# Allegro board 1155000-zp-dic_pda_8ch_board_v002.brd (continued)
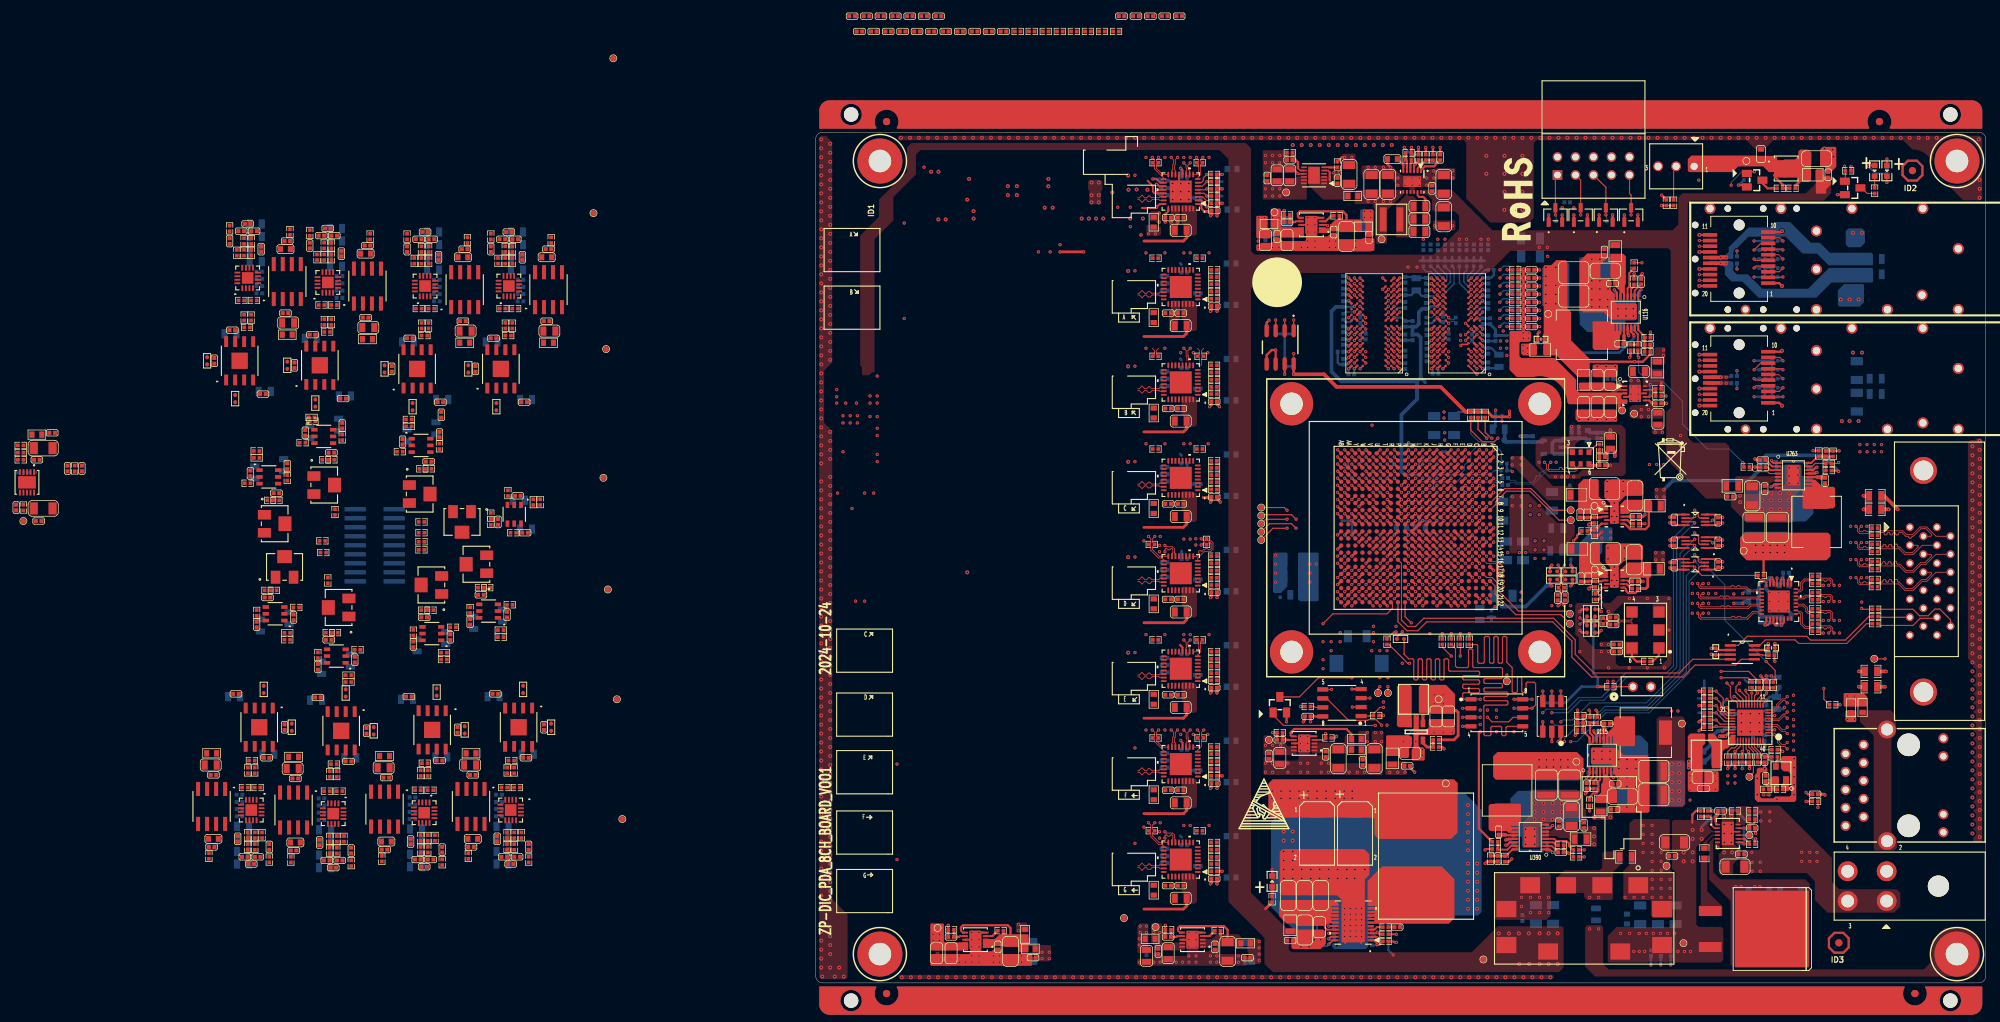
[diagram p0: board, top side]
## Routing (per net, layer and track width the routed paths; a pad name or vN(x,y) marks a point on that pad's centre or on a via; arc(x,y) is an arc through that point) (continued)
ADC7_CNV_P: length 81.6
  TOP w0.102: U384.9 53.95,114.03 54.02,114.1 54.02,115.42 R3138.2 54.02,115.97 54.02,116.13 v1(53.7,116.45) ; v1(73.6,60.19) U1.AB15
  ART08 w0.102: v1(73.6,60.19) 74,60.19 74.1,60.29 74.1,60.44 73.95,60.59 73.25,60.59 73.15,60.49 72.61,60.49 72.29,60.81 68.08,60.81 67.33,61.56 67.18,61.56 66.22,60.6 65.74,60.6 65.21,61.12 65.21,61.6 66.18,62.56 66.18,62.71 65.89,63 65.75,63 64.78,62.03 64.3,62.03 63.78,62.56 63.78,63.04 64.74,64 64.74,64.15 62.96,65.92 62.96,96.16 63.57,96.76 63.57,105.34 61.41,107.5 61.41,111.67 57.77,115.32 54.39,115.32 54.05,115.66 54.05,116.31 53.91,116.45 v1(53.7,116.45)
ADC7_DATA_N: length 82.7
  TOP w0.102: U1.AB17 v1(73.6,59.19) ; v1(52.82,115.68) 52.82,115.68 52.49,115.35 52.49,115.07 52.61,114.95 52.61,114.71 52.73,114.59 U384.10
  ART08 w0.102: v1(73.6,59.19) 73.89,59.19 73.99,59.09 73.99,58.92 73.83,58.75 73.22,58.75 72.08,59.89 70.43,59.89 70.23,60.1 70.03,60.1 69.82,59.89 69.62,59.89 69.42,60.1 69.21,60.1 69.01,59.89 64.66,59.89 62.35,62.2 62.35,103.07 60.75,104.67 60.75,110.53 60.41,110.87 58.47,110.87 58.37,110.97 58.37,112.88 57.98,113.26 56.55,113.26 56.21,112.92 56.21,111.14 55.43,110.36 55.01,110.36 54.66,110.72 54.66,113.45 53.83,114.28 53.83,114.42 53.83,114.56 53.69,114.71 53.55,114.71 53.55,114.71 53.4,114.71 53.1,115.01 52.68,115.01 52.57,115.12 52.57,115.44 v1(52.82,115.68)
ADC7_DATA_P: length 83.3
  TOP w0.102: U1.AA16 v1(74.6,59.19) ; U384.11 52.23,114.59 52.35,114.71 52.35,114.85 52.23,114.97 52.23,115.37 v1(51.91,115.68)
  ART08 w0.102: v1(74.6,59.19) 74.4,58.98 74.4,58.75 73.99,58.34 73.06,58.34 71.91,59.49 64.5,59.49 61.95,62.04 61.95,102.9 60.35,104.5 60.35,110.36 60.24,110.46 58.3,110.46 57.96,110.8 57.96,112.71 57.82,112.85 56.71,112.85 56.61,112.75 56.61,110.97 55.6,109.96 54.84,109.96 54.25,110.55 54.25,113.28 52.93,114.6 52.51,114.6 52.16,114.95 52.16,115.43 v1(51.91,115.68)
ADC7_DCO_N: length 84.4
  TOP w0.102: U384.14 50.73,114.59 50.61,114.71 50.61,115.33 50.71,115.43 50.71,116.13 v1(51.03,116.45) ; U1.Y17 v1(75.6,58.19)
  ART08 w0.102: v1(75.6,58.19) 75.98,58.19 76.08,58.09 76.08,57.9 75.98,57.79 73.07,57.79 72.97,57.9 71.18,57.9 70.46,58.62 68.92,58.62 68.71,58.83 68.51,58.83 68.31,58.62 68.1,58.62 67.9,58.83 67.7,58.83 67.49,58.62 67.29,58.62 67.09,58.83 66.88,58.83 66.68,58.62 64.44,58.62 61.34,61.72 61.34,102.64 59.66,104.32 59.66,107.11 59.12,107.65 59.12,107.8 59.56,108.23 59.56,108.71 59.03,109.24 58.55,109.24 58.11,108.8 57.97,108.8 57.73,109.04 54.83,109.04 53.64,110.23 53.64,113.03 52.75,113.92 51.74,113.92 50.78,114.87 50.78,115.32 50.89,115.43 50.95,115.43 51.05,115.53 51.05,115.73 50.95,115.83 50.89,115.83 50.78,115.93 50.78,116.21 v1(51.03,116.45)
ADC7_DCO_P: length 84.4
  TOP w0.102: U384.15 50.23,114.59 50.35,114.71 50.35,115.43 50.45,115.54 50.45,116.13 v1(50.14,116.45) ; U1.W17 v1(76.6,58.19)
  ART08 w0.102: v1(76.6,58.19) 76.38,58.19 76.28,58.09 76.28,57.81 76.06,57.59 73.07,57.59 72.97,57.49 71.02,57.49 70.29,58.22 64.27,58.22 60.93,61.55 60.93,102.47 59.25,104.15 59.25,106.94 58.71,107.48 58.71,107.96 59.15,108.4 59.15,108.55 58.86,108.83 58.72,108.83 58.28,108.4 57.8,108.4 57.56,108.64 54.66,108.64 53.23,110.06 53.23,112.86 52.58,113.51 51.57,113.51 50.38,114.7 50.38,116.21 v1(50.14,116.45)
ADC7_EN0: length 2.7
  TOP w0.152: U384.4 54.78,111.38 v1(55.16,111) R3147.2
  BOTTOM w0.152: R3147.2 v1(55.16,111)
ADC7_EN1: length 2.6
  TOP w0.152: U384.5 55.03,111.88 v1(55.16,112.01) R3145.2
  BOTTOM w0.152: R3145.2 v1(55.16,112.01)
ADC7_EN2: length 2.8
  TOP w0.152: R3143.2 v1(55.16,113.03) 54.52,112.38 U384.6
  BOTTOM w0.152: R3143.2 v1(55.16,113.03)
ADC7_EN3: length 3.2
  TOP w0.152: U384.7 54.38,112.88 54.66,113.16 54.66,113.54 v1(55.16,114.05) R3141.2
  BOTTOM w0.152: R3141.2 v1(55.16,114.05)
ADC7_IN+: length 4.3
  TOP w0.102: U384.23 48.53,110.38 48.4,110.51 47.46,110.51 47.17,110.22 46.9,110.22 46.63,110.49 46.4,110.49 46.02,110.11 45.64,110.49 45.41,110.49
ADC7_IN-: length 4.3
  TOP w0.102: U384.22 48.53,110.88 48.4,110.76 47.38,110.76 47.12,111.02 46.95,111.02 46.68,110.74 46.4,110.74 46.02,111.13 45.64,110.74 45.41,110.74
ADC7_VIO: length 6.8
  TOP w0.254: v1(51.46,114.92) 51.74,114.64 51.74,114.04 U384.12
  BOTTOM w0.381: C3362.2 51.59,114.79 v1(51.46,114.92) ; 57.32,111 R3148.1 R3146.1 R3144.1 ; R3144.1 57.32,113.03 ; R3144.1 R3142.1
ADC7_VREF: length 7.3
  TOP w0.381: C3363.1 52.33,105.12 51.86,104.65 46.29,104.65
ADC8_CLK_N: length 104.7
  TOP w0.102: U387.16 48.45,19.8 47.52,20.73 47.52,21.19 R3160.1 47.52,21.74 47.52,22.29 v1(47.83,22.59) ; U1.B13 v1(93.61,62.19)
  ART03 w0.102: v1(93.61,62.19) 93.23,62.19 93.13,62.29 93.13,62.48 93.34,62.69 94.23,62.69 95.13,63.59 95.96,63.59 96.06,63.49 101.01,63.49 101.87,62.62 101.87,50.56 99.21,47.9 99.21,42.59 97.56,40.94 97.56,34.84 89.9,27.18 79.17,27.18 76.12,24.13 65.38,24.13 60.63,19.38 54.27,19.38 54.11,19.53 50.91,19.53 50.71,19.74 50.5,19.74 50.3,19.53 50.1,19.53 49.89,19.74 49.69,19.74 49.49,19.53 48.71,19.53 47.58,20.66 47.58,22.35 v1(47.83,22.59)
ADC8_CLK_P: length 106.6
  TOP w0.102: U1.C13 v1(92.61,62.19) ; v1(46.94,22.59) 47.27,22.26 47.27,21.74 R3160.2 47.27,21.19 47.27,20.62 48.34,19.55 48.83,19.55 49.08,19.29 U387.17
  ART03 w0.102: v1(46.94,22.59) 47.18,22.35 47.18,20.49 48.54,19.13 53.95,19.13 54.1,18.97 60.79,18.97 65.54,23.72 76.29,23.72 79.34,26.77 90.06,26.77 97.96,34.67 97.96,40.77 99.61,42.42 99.61,47.73 102.28,50.39 102.28,62.79 101.18,63.89 96.14,63.89 96.04,63.79 95.05,63.79 94.15,62.89 93.26,62.89 92.93,62.56 92.93,62.29 92.83,62.19 v1(92.61,62.19)
ADC8_CNV_N: length 100.3
  TOP w0.102: U1.D14 v1(91.61,61.19)
  ART03 w0.102: 54.59,22.21 54.35,21.97 54.35,21.82 54.45,21.72 55.86,21.72 55.96,21.82 55.96,21.92 56.06,22.02 56.26,22.02 56.37,21.92 56.37,21.82 56.47,21.72 56.67,21.72 56.77,21.82 56.77,21.92 56.87,22.02 57.08,22.02 57.18,21.92 57.18,21.82 57.28,21.72 57.49,21.72 58.04,22.27 58.04,22.55 56.51,24.08 56.51,24.56 57.04,25.09 57.52,25.09 58.89,23.72 59.03,23.72 59.32,24 59.32,24.15 57.95,25.52 57.95,26 58.47,26.52 58.95,26.52 60.32,25.15 60.47,25.15 60.75,25.44 60.75,25.59 59.38,26.96 59.38,27.44 59.91,27.96 60.39,27.96 61.81,26.54 61.95,26.54 63.48,28.07 74.37,28.07 74.47,28.17 74.47,28.87 74.81,29.21 75.55,29.21 75.89,28.87 75.89,28.17 75.99,28.07 76.31,28.07 77.48,29.24 88.68,29.24 95.16,35.72 95.16,39.76 95.06,39.86 94.6,39.86 94.26,40.2 94.26,40.94 94.6,41.28 95.06,41.28 95.16,41.38 95.16,42.35 96.67,43.86 96.67,48.49 96.89,48.71 96.89,48.99 97.04,49.14 97.32,49.14 97.47,49.29 97.47,49.57 97.62,49.72 97.9,49.72 98.04,49.86 98.04,50.14 98.19,50.29 98.47,50.29 98.6,50.42 98.6,60.08 98.19,60.49 98.19,60.88 97.59,61.49 95.94,61.49 95.84,61.59 91.18,61.59 91.08,61.49 91.08,61.29 91.18,61.19 v1(91.61,61.19)
ADC8_CNV_P: length 101.1
  TOP w0.102: U1.E14 v1(90.61,61.19)
  ART03 w0.102: v1(90.61,61.19) 90.78,61.19 90.88,61.29 90.88,61.58 91.09,61.79 95.84,61.79 95.94,61.9 97.76,61.9 98.6,61.05 98.6,60.66 99.01,60.25 99.01,50.25 97.07,48.32 97.07,43.69 95.57,42.18 95.57,41.21 95.23,40.88 94.76,40.88 94.66,40.77 94.66,40.37 94.76,40.27 95.23,40.27 95.57,39.93 95.57,35.55 88.85,28.83 77.64,28.83 76.48,27.66 75.82,27.66 75.48,28 75.48,28.7 75.38,28.8 74.98,28.8 74.87,28.7 74.87,28 74.54,27.66 63.65,27.66 62.12,26.14 61.64,26.14 60.22,27.56 60.08,27.56 59.79,27.27 59.79,27.12 61.16,25.75 61.16,25.27 60.63,24.75 60.15,24.75 58.79,26.12 58.64,26.12 58.35,25.83 58.35,25.69 59.72,24.32 59.72,23.84 59.2,23.31 58.72,23.31 57.35,24.68 57.2,24.68 56.92,24.39 56.92,24.25 58.44,22.72 58.44,22.1 57.65,21.31 54.29,21.31 53.95,21.65 53.95,21.97 53.7,22.21
ADC8_DATA_N: length 99.1
  TOP w0.102: U1.A14 v1(95.6,62.19)
  ART03 w0.102: 52.82,21.45 52.52,21.45 52.42,21.35 52.42,20.93 52.67,20.68 53.26,20.68 53.37,20.78 53.37,20.85 53.47,20.96 53.67,20.96 53.77,20.85 53.77,20.78 53.87,20.68 58.02,20.68 58.45,21.1 58.93,21.1 59.62,20.41 59.76,20.41 60.05,20.7 60.05,20.84 59.36,21.53 59.36,22.01 59.88,22.54 60.36,22.54 61.08,21.82 61.22,21.82 61.51,22.11 61.51,22.25 60.8,22.97 60.8,23.45 61.32,23.98 61.8,23.98 62.58,23.2 62.73,23.2 63.01,23.49 63.01,23.63 62.23,24.41 62.23,24.89 62.62,25.27 75.8,25.27 78.75,28.22 89.48,28.22 96.54,35.28 96.54,41.68 97.96,43.1 97.96,48.17 100.78,50.99 100.78,51.34 100.68,51.44 99.95,51.44 99.61,51.78 99.61,52.52 99.95,52.86 100.71,52.86 100.81,52.97 100.81,53.37 100.71,53.47 100.26,53.47 99.92,53.81 99.92,54.56 100.26,54.9 100.73,54.9 100.83,55 100.83,55.4 100.73,55.51 99.95,55.51 99.61,55.85 99.61,56.59 99.95,56.93 100.48,56.93 100.58,57.03 100.58,57.8 100.48,57.91 100.4,57.91 100.3,58.01 100.3,58.21 100.4,58.31 100.48,58.31 100.58,58.41 100.58,58.62 100.48,58.72 100.4,58.72 100.3,58.82 100.3,59.02 100.4,59.13 100.48,59.13 100.58,59.23 100.58,59.43 100.48,59.53 100.4,59.53 100.3,59.63 100.3,59.84 100.4,59.94 100.48,59.94 100.58,60.04 100.58,60.97 100.25,61.3 100.1,61.3 100.06,61.26 99.92,61.26 99.78,61.41 99.78,61.55 99.82,61.59 99.82,61.73 99.67,61.88 99.53,61.88 99.49,61.84 99.35,61.84 99.2,61.98 99.2,62.13 99.24,62.17 99.24,62.31 99.06,62.49 95.71,62.49 95.6,62.39 v1(95.6,62.19)
ADC8_DATA_P: length 98.8
  TOP w0.102: U1.A13 v1(95.6,63.19)
  ART03 w0.102: v1(95.6,63.19) 95.9,62.89 99.23,62.89 100.99,61.14 100.99,56.86 100.65,56.52 100.12,56.52 100.02,56.42 100.02,56.01 100.12,55.91 100.9,55.91 101.24,55.57 101.24,54.83 100.9,54.49 100.43,54.49 100.33,54.39 100.33,53.98 100.43,53.88 100.88,53.88 101.22,53.54 101.22,52.8 100.88,52.46 100.12,52.46 100.02,52.36 100.02,51.95 100.12,51.85 100.85,51.85 101.19,51.51 101.19,50.83 98.37,48.01 98.37,42.93 96.95,41.51 96.95,35.11 89.65,27.81 78.91,27.81 75.97,24.87 62.78,24.87 62.64,24.72 62.64,24.58 63.42,23.8 63.42,23.32 62.89,22.79 62.41,22.79 61.63,23.57 61.49,23.57 61.2,23.28 61.2,23.14 61.92,22.42 61.92,21.94 61.39,21.42 60.91,21.42 60.2,22.13 60.05,22.13 59.76,21.85 59.76,21.7 60.46,21.01 60.46,20.53 59.93,20 59.45,20 58.76,20.7 58.61,20.7 58.19,20.27 52.5,20.27 52.02,20.76 52.02,21.35 51.91,21.45
ADC8_DCO_N: length 103.7
  TOP w0.102: v1(49.25,21.32) 49.44,21.13 50.34,21.13 50.62,20.86 50.62,20.27 50.73,20.16 U387.14 ; U1.C18 v1(93.6,57.19)
  ART03 w0.102: v1(49.25,21.32) 49.49,21.08 50.29,21.08 50.95,21.74 50.95,22.12 50.75,22.32 50.75,22.53 50.95,22.73 50.95,22.93 50.75,23.14 50.75,23.34 50.95,23.54 50.95,23.75 50.75,23.95 50.75,24.15 50.95,24.35 50.95,25.07 51.61,25.73 52.98,25.73 53.77,24.94 53.77,23.8 53.87,23.7 54.81,23.7 54.91,23.8 54.91,25.35 53.34,26.92 53.34,27.4 53.87,27.93 54.35,27.93 56.23,26.04 56.38,26.04 57.54,27.21 57.54,27.35 55.7,29.19 55.7,29.94 56.47,30.71 57.42,30.71 59.03,29.11 73.11,29.11 74.55,30.56 88.49,30.56 92.76,34.82 92.76,41.38 95.65,44.28 95.65,49.19 97.58,51.12 97.58,58.6 97.48,58.7 97.3,58.7 97.2,58.8 97.2,59.01 97.3,59.11 97.48,59.11 97.58,59.21 97.58,59.47 97.25,59.81 96.62,59.81 95.77,60.66 94.47,60.66 94.21,60.39 94.21,57.91 93.96,57.67 93.71,57.67 93.6,57.57 v1(93.6,57.19)
ADC8_DCO_P: length 103.8
  TOP w0.102: v1(49.25,20.43) 49.25,20.76 49.36,20.88 49.49,20.88 49.67,20.7 49.93,20.7 50.1,20.88 50.24,20.88 50.36,20.75 50.36,20.27 50.23,20.14 U387.15 ; U1.C17 v1(93.6,58.19)
  ART03 w0.102: v1(49.25,20.43) 49.49,20.68 50.46,20.68 51.35,21.57 51.35,24.9 51.78,25.32 52.81,25.32 53.36,24.77 53.36,23.63 53.7,23.29 54.98,23.29 55.32,23.63 55.32,25.52 53.75,27.09 53.75,27.23 54.04,27.52 54.18,27.52 56.06,25.64 56.54,25.64 57.95,27.04 57.95,27.52 56.1,29.36 56.1,29.77 56.64,30.3 57.26,30.3 58.86,28.7 73.27,28.7 74.72,30.15 88.66,30.15 93.16,34.65 93.16,41.21 96.06,44.11 96.06,49.02 97.99,50.95 97.99,59.64 97.41,60.21 96.5,60.21 95.86,60.86 94.38,60.86 94,60.48 94,58 93.88,57.87 93.71,57.87 93.6,57.97 v1(93.6,58.19)
ADC8_IN+: length 4.3
  TOP w0.102: U387.23 48.53,16.15 48.4,16.27 47.46,16.27 47.17,15.98 46.9,15.98 46.63,16.26 46.4,16.26 46.02,15.88 45.64,16.26 45.41,16.26
ADC8_IN-: length 4.3
  TOP w0.102: U387.22 48.53,16.65 48.4,16.53 47.38,16.53 47.12,16.78 46.95,16.78 46.68,16.51 46.4,16.51 46.02,16.89 45.64,16.51 45.41,16.51
ADC8_VIO: length 0.3
  BOTTOM w0.381: 51.59,20.55 51.4,20.75
ADC8_VREF: length 7.3
  TOP w0.381: C3377.1 52.33,10.88 51.86,10.41 46.29,10.41
ADC_PWREN: length 164.3
  TOP w0.152: R3198.1 v1(108.38,17.78) ; v1(71.55,50.67) 72.94,52.07 80.57,52.07 81.33,52.83 81.33,53.47 U1.R22
  TOP w0.305: R3200.1 v1(87.04,117.86)
  ART06 w0.114: v1(87.04,117.86) 86.66,117.48 86.66,104.14 85.52,103 73.71,103 68.63,97.92 68.63,89.28 64.65,85.3 64.65,62.87 65.58,61.94 65.58,56.64 v1(71.55,50.67)
  ART08 w0.102: v1(108.38,17.78) 98.98,17.78 98.73,18.03 94.28,18.03 93.14,19.18 93.14,26.42 91.74,27.81 78.53,27.81 76.88,29.46 76.88,30.23 75.8,31.31 75.8,36.64 70.66,41.78 70.66,49.78 v1(71.55,50.67)
CLK_SEL: length 115.5
  TOP w0.152: J77.1 R2120.2 v1(112.46,42.55) ; R2126.2 147.62,52.71 v1(147.49,52.83) ; U1.F14 v1(89.61,62.19)
  ART03 w0.102: v1(126.92,54.94) 126.92,50.8 119.17,43.05 114.6,43.05 114.09,42.55 v1(112.46,42.55)
  ART08 w0.102: v1(112.46,42.55) 112.72,42.8 124.25,42.8 125.4,41.66 127.05,41.66 128.06,40.64 128.57,40.64 129.33,39.88 132.38,39.88 132.89,40.39 134.41,40.39 137.97,43.94 141.14,43.94 147.49,50.29 v1(147.49,52.83) ; v1(89.61,62.19) 90.08,61.72 93.82,61.72 94.74,60.81 95.83,60.81 96.41,60.22 100.53,60.22 100.86,60.55 103.65,60.55 106.22,63.12 107.11,63.12 107.87,62.36 107.87,60.1 108.78,59.18 112.82,59.18 114.85,57.15 116.89,57.15 117.39,56.64 120.7,56.64 122.88,54.46 126.44,54.46 v1(126.92,54.94)
DDR3_A_A0: length 71.1
  TOP w0.203: U75.N3 v1(80.76,97.04) ; U1.AB5 v1(73.6,71.19) ; U76.N3 v1(92.45,97.04)
  ART06 w0.178: v1(73.6,71.19) 73.17,71.62 73.17,72.37 73.56,72.76 73.78,72.76 74.17,73.15 74.17,73.37 74.43,73.62 74.69,73.62 75.17,74.11 75.17,74.37 75.43,74.62 75.69,74.62 76.12,75.06 76.12,75.32 75.93,75.51 75.93,75.76 76.25,76.09 76.25,76.35 76,76.6 75.75,76.6 75.42,76.27 75.17,76.27 74.9,76.54 74.9,78.34 74.49,78.74 74.49,79.28 74.32,79.46 73.41,79.46 73.24,79.64 73.24,79.99 73.41,80.17 74.32,80.17 74.49,80.35 74.49,82.29 74.67,82.47 76.01,82.47 76.19,82.65 76.19,83 76.01,83.18 74.67,83.18 74.49,83.36 74.49,83.71 74.67,83.89 76.4,83.89 76.58,84.07 76.58,84.42 76.4,84.6 74.67,84.6 74.49,84.78 74.49,85.14 74.67,85.31 76.4,85.31 76.58,85.49 76.58,85.85 76.4,86.02 74.67,86.02 74.49,86.2 74.49,86.49 74.32,86.67 73.55,86.67 73.38,86.85 73.38,87.2 73.55,87.38 74.32,87.38 74.49,87.56 74.49,88.45 74.26,88.68 74.26,89.16 74.49,89.39 74.49,89.64 74.72,89.87 74.72,90.25 74.55,90.43 74.46,90.43 74.28,90.61 74.28,90.96 74.46,91.14 74.55,91.14 74.72,91.32 74.72,91.59 74.55,91.77 73.49,91.77 73.32,91.95 73.32,92.3 73.49,92.48 74.55,92.48 74.9,92.84 75.14,92.84 75.32,93.01 75.32,93.23 75.5,93.41 75.85,93.41 76.03,93.23 76.03,93.01 76.21,92.84 76.55,92.84 76.73,93.01 76.73,93.85 77.64,94.77 77.64,95.67 79.01,97.04 v1(80.76,97.04)
  ART08 w0.102: v1(92.45,97.04) 92.05,97.44 84.57,97.44 84.47,97.34 84.47,97.33 84.37,97.23 84.17,97.23 84.07,97.33 84.07,97.34 83.97,97.44 81.16,97.44 v1(80.76,97.04)
  BOTTOM w0.203: v1(92.45,97.04) 90.77,98.71 R460.2
DDR3_A_A1: length 70.8
  TOP w0.203: U75.P7 v1(76.76,97.84) ; U76.P7 v1(88.45,97.84) ; U1.AA8 v1(74.6,68.19)
  ART03 w0.102: v1(88.45,97.84) 88.28,97.84 87.88,98.24 86.39,98.24 85.59,99.04 83.77,99.04 83.67,98.94 83.67,98.77 83.56,98.67 83.36,98.67 83.26,98.77 83.26,98.94 83.16,99.04 78.85,99.04 77.65,97.84 v1(76.76,97.84)
  ART06 w0.102: 74.94,96.64 77.1,96.64 77.31,96.85 77.31,97.64 77.11,97.84 v1(76.76,97.84)
  ART06 w0.178: v1(74.6,68.19) 74.12,68.67 71.05,68.67 70.64,69.08 70.64,74.06 70.92,74.33 71.7,74.33 71.88,74.51 71.88,74.86 71.7,75.04 70.92,75.04 70.74,75.22 70.74,75.6 70.92,75.78 73.28,75.78 73.45,75.96 73.45,76.31 73.28,76.49 70.92,76.49 70.74,76.67 70.74,77.02 70.92,77.2 73.28,77.2 73.45,77.38 73.45,77.73 73.28,77.91 70.92,77.91 70.74,78.09 70.74,78.47 71.46,79.19 71.46,95.99 72.11,96.64 72.37,96.64 72.55,96.82 72.55,97.05 72.73,97.22 73.09,97.22 73.26,97.05 73.26,96.82 73.44,96.64 74.94,96.64
  BOTTOM w0.203: R461.2 89.5,100.31 89.5,98.89 v1(88.45,97.84)
DDR3_A_A2: length 70.6
  TOP w0.203: U75.P3 v1(80.76,97.84) ; U76.P3 v1(92.45,97.84) ; U1.W11 v1(76.6,65.19)
  ART08 w0.102: 74.77,98.24 77.96,98.24 78.77,97.43 80.35,97.43 v1(80.76,97.84) 81.16,98.24 92.05,98.24 v1(92.45,97.84)
  ART08 w0.165: 74.77,98.24 73.65,98.24 66.57,91.16 66.57,90.37 64.68,88.48 64.68,71.74 71.73,64.69 76.11,64.69 v1(76.6,65.19)
  BOTTOM w0.203: R462.2 91.79,100.51 91.41,100.13 91.41,98.88 v1(92.45,97.84)
DDR3_A_A3: length 73.1
  TOP w0.203: R463.2 v1(97.5,98.3) ; U75.N2 v1(81.56,97.04) ; U1.AA6 v1(74.6,70.19) ; U76.N2 v1(93.25,97.04)
  ART06 w0.102: v1(97.5,98.3) 96.99,97.79 95.98,97.79 95.63,97.44 93.65,97.44 v1(93.25,97.04) U76.N2 81.96,96.64 v1(81.56,97.04) U75.N2 80.51,96.64
  ART06 w0.178: v1(74.6,70.19) 74.09,70.71 74.09,72.29 74.43,72.62 74.65,72.62 75.04,73.01 75.04,73.47 75.33,73.76 75.78,73.76 76.12,74.1 76.12,74.53 76.22,74.62 76.65,74.62 77.06,75.04 77.06,76.82 76.88,77 75.61,77 75.43,77.18 75.43,77.53 75.61,77.71 76.88,77.71 77.06,77.89 77.06,78.07 76.88,78.25 75.59,78.25 75.41,78.43 75.41,78.79 75.59,78.96 76.88,78.96 77.06,79.14 77.06,79.31 76.88,79.49 75.33,79.49 75.15,79.67 75.15,80.02 75.33,80.2 76.88,80.2 77.06,80.38 77.06,80.73 76.88,80.91 75.33,80.91 75.15,81.09 75.15,81.45 75.33,81.62 76.88,81.62 77.06,81.8 77.06,86.32 78,87.26 78,88.16 78.18,88.34 78.77,88.34 78.95,88.51 78.95,88.87 78.77,89.05 78.18,89.05 78,89.22 78,89.58 78.18,89.76 79.02,89.76 79.19,89.94 79.19,90.29 79.02,90.47 78.18,90.47 78,90.65 78,91 78.18,91.18 79.02,91.18 79.19,91.36 79.19,91.71 79.02,91.89 78.18,91.89 78,92.07 78,92.42 78.18,92.6 79.02,92.6 79.19,92.78 79.19,93.14 79.02,93.31 78.18,93.31 78,93.49 78,93.85 78.18,94.02 79.02,94.02 79.19,94.2 79.19,94.56 79.02,94.74 78.18,94.74 78,94.91 78,95.27 79.37,96.64 80.51,96.64
DDR3_A_A4: length 87.1
  TOP w0.203: U1.V10 v1(77.6,66.19) ; U76.P8 v1(87.65,97.84) ; U75.P8 v1(75.96,97.84)
  ART03 w0.102: v1(96.49,99.45) 95.28,98.24 90.08,98.24 89.28,97.44 88.28,97.44 87.88,97.84 v1(87.65,97.84) 87.42,97.84 87.02,97.44 86.17,97.44 85.37,98.24 83.71,98.24 83.61,98.14 83.61,97.98 83.5,97.88 83.3,97.88 83.2,97.98 83.2,98.14 83.1,98.24 79,98.24 78.2,97.44 U75.P8 v1(75.96,97.84) 75.56,97.44 74.84,97.44
  ART03 w0.165: v1(77.6,66.19) 77.6,65.96 77.14,65.49 77.14,65.06 76.79,64.72 74.19,64.72 73.63,65.28 71.89,65.28 69.26,67.91 69.26,74.46 69.1,74.62 68.04,74.62 67.87,74.79 67.87,75.12 68.04,75.28 69.1,75.28 69.26,75.45 69.26,75.78 69.1,75.94 68.04,75.94 67.87,76.11 67.87,76.44 68.04,76.6 69.1,76.6 69.26,76.77 69.26,77.1 69.1,77.26 68.04,77.26 67.87,77.43 67.87,77.76 68.04,77.92 69.1,77.92 69.26,78.09 69.26,78.42 69.1,78.58 68.04,78.58 67.87,78.75 67.87,79.08 68.04,79.24 69.1,79.24 69.26,79.41 69.26,80.43 69.65,80.81 69.65,84.32 68.09,85.88 68.09,86.43 68.25,86.6 68.49,86.6 68.65,86.76 68.65,87.09 68.49,87.26 68.25,87.26 68.09,87.42 68.09,87.75 68.25,87.92 68.49,87.92 68.65,88.08 68.65,88.41 68.49,88.58 68.25,88.58 68.09,88.74 68.09,93.38 68.32,93.62 68.56,93.62 68.86,93.31 69.1,93.31 69.33,93.55 69.33,93.78 69.02,94.08 69.02,94.32 69.99,95.28 69.99,96.51 70.92,97.44 71.71,97.44 71.99,97.16 72.37,97.16 72.66,97.44 73.03,97.44 73.32,97.16 73.69,97.16 73.98,97.44 74.84,97.44
  BOTTOM w0.203: v1(96.49,99.45) 96.99,99.95 97.74,99.95 R464.2
DDR3_A_A5: length 72.5
  TOP w0.203: U1.AB6 v1(73.6,70.19) ; U75.P2 v1(81.56,97.84) ; U76.P2 v1(93.25,97.84) ; R465.2 v1(97.5,99.44)
  ART06 w0.102: 75.74,95.04 76.93,95.04 77.26,95.37 77.26,95.76 78.94,97.44 U75.P2 v1(81.56,97.84) 81.96,97.44 84.18,97.44 84.38,97.63 84.59,97.63 84.78,97.44 U76.P2 v1(93.25,97.84) 93.65,98.24 94.9,98.24 95.6,98.93 96.99,98.93 v1(97.5,99.44)
  ART06 w0.178: 75.74,95.04 74.86,95.04 72.68,92.86 72.68,91.86 73.76,90.79 73.76,88.18 73.58,88 72.61,88 72.44,87.82 72.44,87.67 72.61,87.49 72.69,87.49 72.87,87.31 72.87,86.96 72.69,86.78 72.61,86.78 72.44,86.6 72.44,86.02 72.61,85.84 73.83,85.84 74.01,85.66 74.01,85.31 73.83,85.13 72.61,85.13 72.44,84.95 72.44,84.6 72.61,84.42 73.83,84.42 74.01,84.24 74.01,83.89 73.83,83.71 72.61,83.71 72.44,83.53 72.44,83.17 72.61,83 73.83,83 74.01,82.82 74.01,82.46 73.83,82.28 72.61,82.28 72.44,82.11 72.44,81.75 72.61,81.57 73.83,81.57 74.01,81.4 74.01,81.04 73.83,80.86 72.61,80.86 72.44,80.68 72.44,79.49 73.05,78.88 73.68,78.88 74.42,78.14 74.42,76.12 75.04,75.51 75.04,75.01 74.65,74.62 74.43,74.62 74.17,74.37 74.17,74.13 73.67,73.62 73.43,73.62 72.53,72.73 71.81,72.73 71.64,72.55 71.64,72.16 72.18,71.62 72.18,71.37 71.69,70.88 71.69,70.63 71.94,70.37 72.19,70.37 72.68,70.86 72.93,70.86 v1(73.6,70.19)
DDR3_A_A6: length 77.6
  TOP w0.203: U1.AA9 v1(74.6,67.19) ; U76.R8 v1(87.65,98.64) ; U75.R8 v1(75.96,98.64)
  ART03 w0.102: v1(87.65,98.64) 87.88,98.64 88.28,98.24 88.61,98.24 89.41,99.04 94.93,99.04 v1(96.49,100.59)
  ART06 w0.102: v1(87.65,98.64) 87.25,98.24 84.79,98.24 84.68,98.34 84.68,98.44 84.58,98.54 84.38,98.54 84.28,98.44 84.28,98.34 84.18,98.24 U75.R8 v1(75.96,98.64) 75.56,98.24 74.94,98.24
  ART06 w0.178: v1(74.6,67.19) 74.17,66.76 73.43,66.76 73.28,66.9 72.93,66.9 72.75,67.08 72.75,67.5 72.57,67.68 72.21,67.68 72.04,67.5 72.04,67.08 71.86,66.9 71.68,66.9 71.5,67.08 71.5,67.52 71.32,67.7 70.97,67.7 70.79,67.52 70.79,67.08 70.61,66.9 70.41,66.9 70.23,67.08 70.23,68.02 70.05,68.19 69.69,68.19 69.52,68.02 69.52,67.33 69.34,67.15 69,67.15 68.18,67.97 68.18,76.19 68.36,76.37 69.48,76.37 69.66,76.54 69.66,76.9 69.48,77.08 68.36,77.08 68.18,77.26 68.18,77.96 68.48,78.27 68.73,78.27 69.18,77.82 69.43,77.82 69.68,78.07 69.68,78.32 69.23,78.77 69.23,79.02 70.5,80.28 70.5,96.39 70.91,96.8 72.53,98.43 74.76,98.43 74.94,98.24
  BOTTOM w0.203: v1(96.49,100.59) 96.98,101.09 97.74,101.09 R466.2
DDR3_A_A7: length 72.9
  TOP w0.203: U75.R2 v1(81.56,98.64) ; U1.AA10 v1(74.6,66.19) ; v1(97.5,100.59) 98.24,100.59 R467.2 ; U76.R2 v1(93.25,98.64)
  ART06 w0.102: v1(97.5,100.59) 96.96,100.05 95.46,100.05 94.45,99.04 93.65,99.04 v1(93.25,98.64) 92.85,99.04 81.96,99.04 v1(81.56,98.64)
  ART06 w0.178: v1(81.56,98.64) 79.87,100.33 73.07,100.33 69.53,96.79 69.53,80.68 67.21,78.36 67.21,67.57 69.69,65.1 73.51,65.1 v1(74.6,66.19)
DDR3_A_A8: length 77.8
  TOP w0.203: U1.U11 v1(78.6,65.19) ; U76.T8 v1(87.65,99.44) ; U75.T8 v1(75.96,99.44)
  ART03 w0.102: v1(87.65,99.44) 86.88,100.2 78.23,100.2 77.07,99.04 U75.T8 v1(75.96,99.44) 75.56,99.04 74.81,99.04
  ART03 w0.165: 74.81,99.04 73.9,99.04 73.61,98.75 73.24,98.75 72.95,99.04 72.57,99.04 72.29,98.75 71.91,98.75 71.63,99.04 70.99,99.04 65.69,93.74 65.69,93.13 65.86,92.97 66.26,92.97 66.43,92.8 66.43,92.47 66.26,92.3 65.86,92.3 65.7,92.14 65.7,89.93 65.86,89.76 66.27,89.76 66.44,89.6 66.44,89.27 66.27,89.1 65.86,89.1 65.7,88.94 65.7,88.61 65.86,88.44 66.27,88.44 66.44,88.28 66.44,87.95 66.27,87.78 65.86,87.78 65.7,87.62 65.7,85.99 65.4,85.69 65.4,85.45 65.78,85.07 65.78,84.83 65.55,84.6 65.32,84.6 64.93,84.99 64.69,84.99 64.19,84.48 64.19,79.99 66.93,77.25 66.93,68.67 66.82,68.56 66.82,68.32 67.05,68.09 67.28,68.09 67.4,68.21 67.63,68.21 67.87,67.97 67.87,67.74 67.75,67.62 67.75,67.39 67.98,67.16 68.22,67.16 68.33,67.27 68.57,67.27 68.8,67.04 68.8,66.8 68.68,66.69 68.68,66.45 68.92,66.22 69.15,66.22 69.27,66.34 69.5,66.34 71.55,64.29 73.1,64.29 73.38,64.01 77.64,64.01 78.6,64.97 v1(78.6,65.19)
  BOTTOM w0.203: R468.2 85.69,100.71 86.07,100.33 86.76,100.33 v1(87.65,99.44)
DDR3_A_A9: length 65.8
  TOP w0.203: U76.R3 v1(92.45,98.64) ; U75.R3 v1(79.96,97.84) ; U1.AB7 v1(73.6,69.19)
  ART06 w0.102: 74.98,95.84 76.93,95.84 78.93,97.84 v1(79.96,97.84)
  ART06 w0.178: 74.98,95.84 74.54,95.4 74.29,95.4 73.72,95.98 73.47,95.98 73.22,95.72 73.22,95.47 73.79,94.9 73.79,94.65 73.47,94.33 73.22,94.33 72.7,94.85 72.45,94.85 72.2,94.6 72.2,94.35 72.72,93.83 72.72,93.58 71.95,92.8 71.95,92.57 72.2,92.32 72.2,91.87 71.95,91.61 71.95,91 72.12,90.82 73.04,90.82 73.22,90.64 73.22,90.29 73.04,90.11 72.12,90.11 71.95,89.93 71.95,89.55 72.12,89.37 73.1,89.37 73.28,89.19 73.28,88.84 73.1,88.66 72.12,88.66 71.95,88.48 71.95,78.73 72.28,78.4 73.48,78.4 73.94,77.94 73.94,75.59 74.13,75.4 74.13,74.91 73.92,74.7 72.75,74.7 71.13,73.07 71.13,69.53 71.46,69.19 v1(73.6,69.19)
  ART08 w0.102: v1(79.96,97.84) 81.16,99.04 92.05,99.04 v1(92.45,98.64)
  BOTTOM w0.203: v1(92.45,98.64) 91.91,99.17 91.91,99.7 92.8,100.58 R469.2
DDR3_A_A10: length 88.6
  TOP w0.203: U76.L7 v1(88.45,95.44) ; U75.L7 v1(76.76,95.44) ; U1.R7 v1(80.6,69.19)
  ART03 w0.102: 74.61,95.04 76.36,95.04 v1(76.76,95.44) U75.L7 83.83,95.04 83.93,94.94 83.93,94.64 84.03,94.53 84.24,94.53 84.34,94.64 84.34,94.94 84.44,95.04 88.05,95.04 v1(88.45,95.44) 90.05,95.44 90.45,95.84 96.29,95.84 v1(96.47,96.01)
  ART03 w0.165: 74.61,95.04 74.33,94.75 74.09,94.75 73.57,95.28 73.34,95.28 73.1,95.04 73.1,94.81 73.62,94.29 73.62,94.05 73.39,93.82 73.16,93.82 72.64,94.34 72.4,94.34 72.17,94.11 72.17,93.87 72.69,93.35 72.69,93.12 71.66,92.08 71.25,92.08 71.08,91.92 71.08,91.59 71.25,91.42 71.66,91.42 71.82,91.26 71.82,90.93 71.66,90.76 71.25,90.76 71.08,90.6 71.08,90.27 71.25,90.1 71.66,90.1 71.82,89.94 71.82,89.61 71.66,89.44 71.25,89.44 71.08,89.28 71.08,88.95 71.25,88.78 71.66,88.78 71.82,88.62 71.82,88.29 71.66,88.12 71.25,88.12 71.08,87.96 71.08,87.63 71.25,87.46 71.66,87.46 71.82,87.3 71.82,87.23 72.72,86.33 72.72,85.81 72.55,85.64 72.22,85.64 72.05,85.48 72.05,85.15 72.22,84.98 72.55,84.98 72.72,84.82 72.72,84.49 72.55,84.32 72.22,84.32 72.05,84.16 72.05,83.83 72.22,83.66 72.55,83.66 72.72,83.5 72.72,83.17 72.55,83 72.22,83 72.05,82.84 72.05,82.51 72.22,82.34 72.55,82.34 72.72,82.18 72.72,81.85 72.55,81.68 72.22,81.68 72.05,81.52 72.05,81.19 72.22,81.02 72.55,81.02 72.72,80.86 72.72,80.53 72.55,80.36 72.22,80.36 72.05,80.2 72.05,79.87 72.22,79.7 72.55,79.7 72.72,79.54 72.72,79.21 72.55,79.04 72.22,79.04 72.05,78.88 72.05,78.55 72.22,78.38 72.55,78.38 72.72,78.22 72.72,77.89 72.55,77.72 72.22,77.72 72.05,77.55 72.05,77.22 72.22,77.06 72.55,77.06 72.72,76.89 72.72,76.38 72.25,75.91 72.25,70.22 72.41,70.06 73.1,70.06 73.27,69.89 73.27,69.56 73.1,69.4 72.41,69.4 72.25,69.23 72.25,68.95 73.48,67.72 75.02,67.72 75.18,67.55 75.18,67.16 75.35,67 75.68,67 75.84,67.16 75.84,67.55 76.01,67.72 76.73,67.72 77.14,68.12 77.14,70.61 77.26,70.74 77.99,70.74 78.15,70.57 78.15,68.83 78.28,68.71 79,68.71 79.17,68.87 79.17,70.36 79.55,70.74 79.8,70.74 80.06,70.49 80.06,69.74 v1(80.6,69.19)